# KiCad board Home Assistant Voice PE.kicad_pcb (continued)
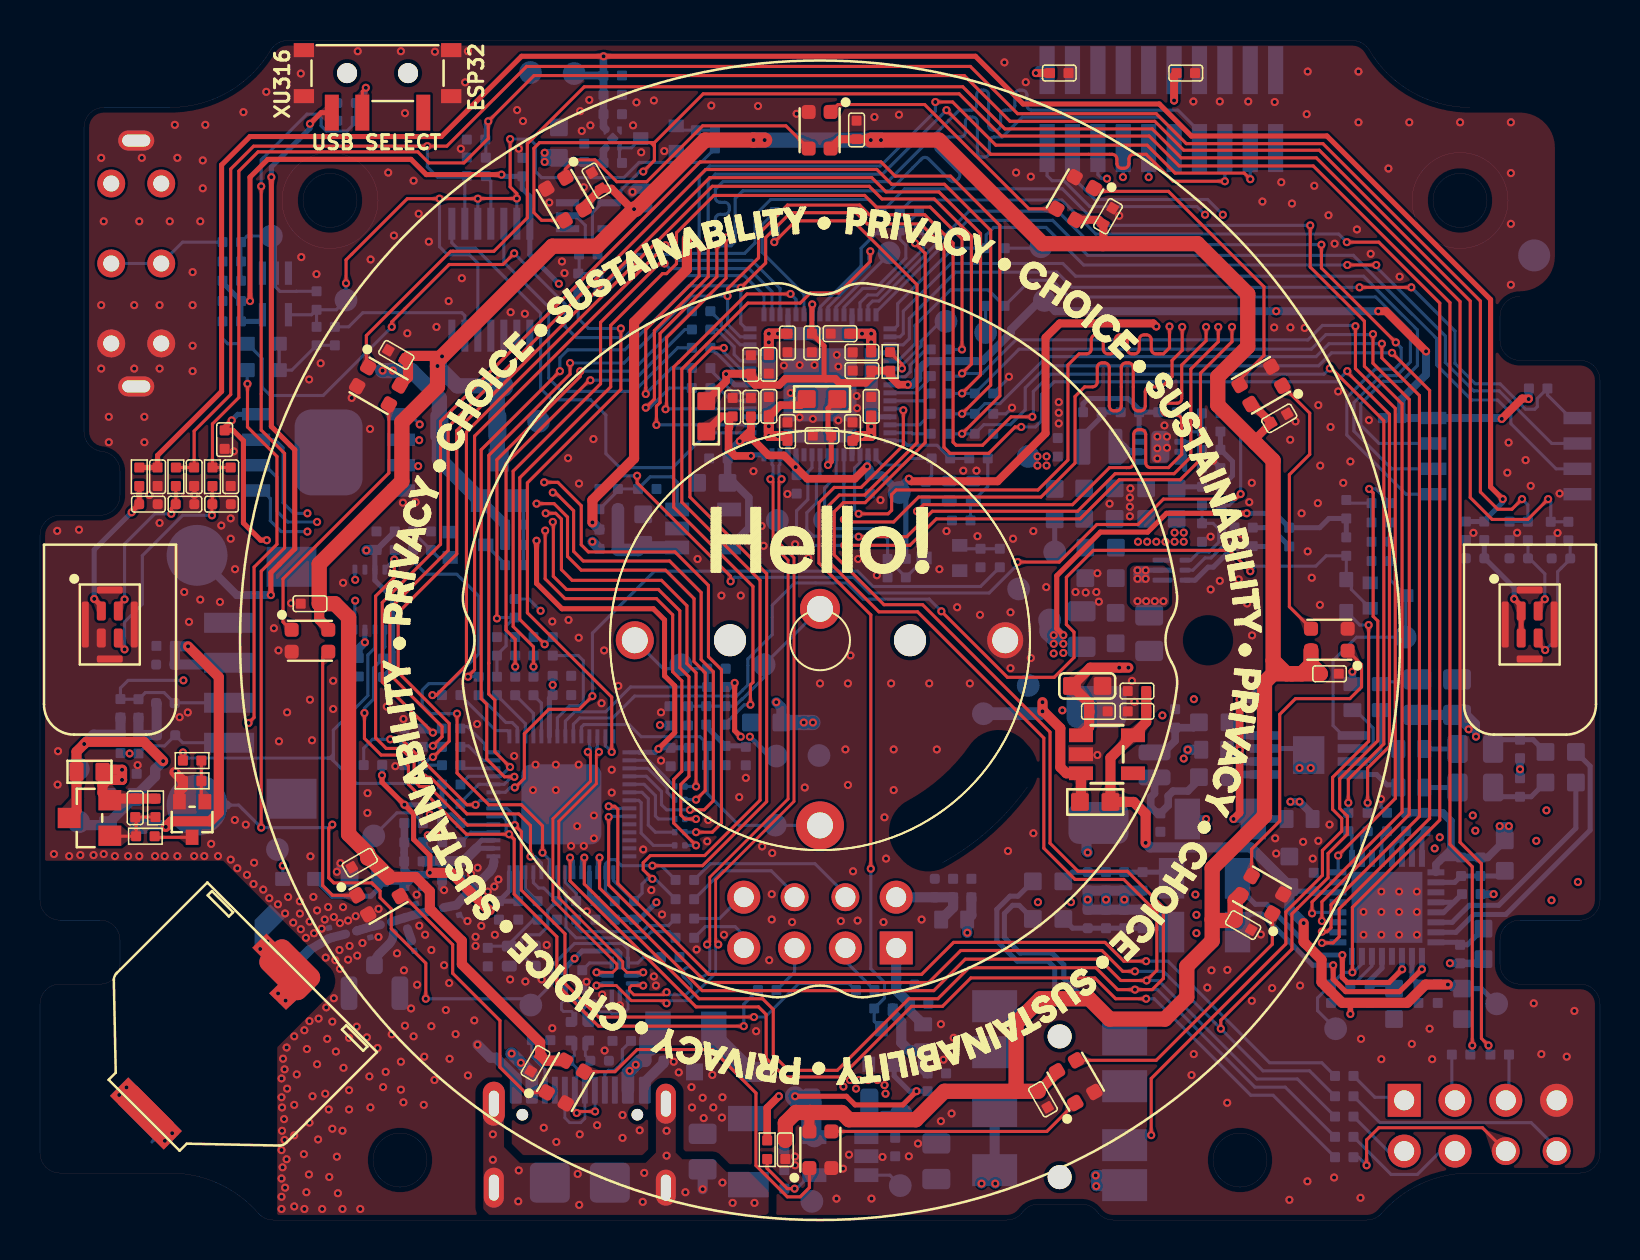
[diagram p0: board, top side]
## Routing (per net, layer and track width the routed paths; a pad name or vN(x,y) marks a point on that pad's centre or on a via; arc(x,y) is an arc through that point) (continued)
GND_SHELL: length 1
  Bottom w0.508: R147.2 v1(33.13,1.54)
  vias: v1(22.64,4.29) v1(22.64,3.02) v1(23.94,2.48) v1(23.91,0.93) v1(26.88,2.3) v1(26.96,0.76) v1(30.14,0.91) v1(30.21,2.36) v1(31.33,4.46) v1(31.33,3.22) v1(32.27,1.39) v1(34.12,1.87) v1(34.63,0.86) v1(35.72,0.86)
GNDA: length 50.7
  Bottom w0.156: v1(51.12,25.49) 51.46,25.49 52.23,26.26
  Bottom w0.254: U9.7 63.11,23.58 U9.EPAD
  Bottom w0.381: C120.2 v1(74,22.55) C121.2 ; C14.2 73.44,19.2 v1(73.44,19.7) 73.24,19.7 ; C14.2 72.99,19.25 v1(72.99,19.7) 73.24,19.7 ; C14.2 72.38,18.13 C87.2 C13.2 ; C14.2 73.24,19.7 ; 69.96,17.95 69.8,17.78 U8.17 ; 69.96,17.95 70.15,18.13 C13.2 ; 69.96,17.95 70.55,18.54 70.55,18.64 ; C119.2 v1(72.68,16.3) ; v1(70.5,12.85) 70.5,12.84 C33.2 71.96,12.84 C34.2 ; 58.3,19.81 v1(58.3,19.6) 57.82,19.6 C24.2 ; 58.3,19.81 57.62,19.81 C24.2 ; 58.3,19.81 v1(58.3,20.06) C24.2 ; C22.1 v1(65.62,27.43) ; C13.2 70.55,18.64 ; 70.55,18.64 70.55,19.96 70.14,20.37 C89.2 C88.2
  Bottom w0.4: R82.2 71.36,25.27 71.8,24.83 v1(71.8,24.18)
  Bottom w0.508: 47.73,5.94 47.73,2.99 ; 47.73,2.99 47.76,2.96 v1(47.76,1.82) ; 47.73,2.99 47.08,2.34 v1(47.08,1.82) ; 52.81,1.95 53.94,1.95 54.23,2.24 ; 52.81,1.95 52.81,2.2 v1(52.79,2.23) 52.8,2.24 54.23,2.24 ; 52.81,1.95 v1(52.81,1.7) 53.68,1.7 54.23,2.24 ; R18.1 D2.1 D3.1 R19.1 ; 71.49,24.6 70.85,25.24 R82.2 ; C21.1 R82.2 ; R82.2 71.03,25.44 ; C18.2 C17.2 ; 52.33,20.46 52.33,18.44 v1(52.39,18.38) ; C125.2 C111.2 ; C23.2 v1(57.39,23.52)
  vias: v1(49.9,15.9) v1(51.55,15.9) v1(52.39,16.03) v1(53.3,16.03) v1(54.21,16.03) v1(56.12,25.24) v1(57.19,23.08) v1(57.69,26.05) v1(57.77,16.28) v1(57.82,15.26) v1(57.82,14.35) v1(62.98,22.61) v1(63.54,22.61) v1(69.73,18.59) v1(69.99,19.14) v1(71.43,24.55) v1(71.64,20.24) v1(71.77,19.48) v1(74.81,18.97) v1(75.32,20.49) v1(75.58,16) v1(76.9,16.91)
VBUS: length 18
  Top w0.254: v1(37.76,6.19) 40.32,6.19 40.75,5.76 43.14,5.76 v1(43.83,6.44)
  Top w0.381: R64.2 36.36,5.61 v1(36.94,6.19)
  Bottom w0.254: Q10.1 42.71,7.21 43.47,6.44 v1(43.83,6.44) R58.2
  Bottom w1.016: 38.57,6.04 38.57,4.29 U13.5 ; v1(37.76,6.19) 38.11,5.84 R65.1 ; D22.2 35.34,7.41 33.69,9.06 FB12.1
VDD: length 52
  Top w0.25: 36.84,39.16 v1(36.9,39.22)
  Top w0.381: 36.44,40.34 36.6,40.34 37.02,40.76 38.03,40.76 FB6.2
  Top w0.5: v1(41.56,44.34) v1(41.56,43.9) ; v1(41.56,44.34) C51.1 ; v1(41.56,44.34) C48.1 ; v1(36.44,44.34) v1(36.9,44.34) ; v1(36.44,44.34) C49.1 ; v1(36.44,44.34) C43.1 ; v1(36.44,39.22) 36.44,39.44 ; v1(36.44,39.22) 37.37,39.22 ; v1(36.44,39.22) v1(36.9,39.22) ; 36.44,39.44 v1(36.44,39.7) ; 36.44,39.44 C50.1 ; C45.1 40.87,39.22 v1(41.1,39.22) v1(41.56,39.22) C46.1
  Bottom w0.25: v1(41.56,43.9) 41.56,43.38 U2.4 ; U2.27 37.4,38.85 37.77,39.22 U2.62 40.23,39.22 40.6,38.85 U2.19 ; U2.12 41.94,40.18 41.56,40.56 U2.61 ; v1(36.44,43.9) 36.44,43.38 U2.42 ; 37.4,44.34 U2.64 ; v1(36.44,39.7) 36.44,40.18 U2.34 ; 40.6,39.22 41.2,39.22 ; 37.4,39.22 37.1,39.22 ; 41.56,40.18 41.56,39.6 ; 40.6,44.34 v1(41.1,44.34)
  Bottom w0.254: U2.57 40.6,44.7 40.24,44.34 U2.64 37.76,44.34 37.4,44.7 U2.49
  Bottom w0.5: U2.64 v1(41.1,44.34) v1(41.56,44.34) U2.61 v1(41.56,39.22) U2.62 v1(36.44,39.22) v1(36.44,39.7) U2.63 v1(36.44,43.9) v1(36.44,44.34) U2.64
  vias: v1(41.56,39.69) v1(49.87,38.19) v1(49.87,37.74) v1(50.33,38.19) v1(50.33,37.74)
VDD_MIC: length 106.4
  Top w0.254: v1(73.14,36.06) 72.53,36.67 72.53,46.04 64.35,54.22 57.57,54.22 55.97,55.82 49.16,55.82 46.77,58.21 v1(28.18,58.21) 24.08,58.21 20.06,54.2 10.5,54.2 9.08,52.77 9.08,41.45 5.88,38.25 C5.1 R30.2
  Bottom w0.254: C4.1 R110.2 72.21,34.98 73.14,35.91 v1(73.14,36.06)
  Bottom w0.381: v1(28.18,58.21) 28.17,58.2 28.17,56.74 ; 28.17,56.74 28.17,57.13 ; 28.17,56.74 C110.1 28.17,54.68 U18.1
  Bottom w0.4: TP26.1 26.81,57.24 R11.2
VDD_SPI: length 41.7
  Top w0.254: v1(30.92,23.56) 31.74,24.38 31.74,26.71 31.23,27.22 31.23,30.02 30.67,30.57 26.1,30.57 24.83,31.84 v1(24.83,33.98) ; v1(9.59,40) 9.23,39.64 C107.1 9.65,39.5 10.17,38.98 10.17,34.87 11.03,34 v1(11.34,34)
  In2.PWR w0.254: v1(11.34,34) 11.36,33.98 v1(24.83,33.98)
  Bottom w0.2: U1.29 29.96,23.39
  Bottom w0.254: v1(9.59,40) 9.89,40.3 U16.8 ; 30.75,23.39 v1(30.92,23.56) ; 30.75,23.39 29.96,23.39 ; 30.75,23.39 30.98,23.62 C105.1 C106.1
VDDIO: length 117.5
  Top w0.25: 36.41,41.77 36.1,41.77 C55.1 ; 39.3,42.08 39.2,42.18 39.2,43.73 C57.1 38.59,45.78 v1(38.61,45.8) ; 41.56,42.48 C56.1 ; v1(43.39,41.78) 43.39,41.78
  Top w0.254: v1(23.07,52.29) 19.31,52.29 18.55,53.05 11.39,53.05 10.5,52.16 v1(10.5,45.97)
  Top w0.381: v1(34.31,42.31) 34.31,41.96 FB9.2 ; 41.56,42.48 R61.2 42.51,42.21 42.93,41.78 v1(43.39,41.78) ; C56.1 41.56,42.15 41.29,41.88 39.97,41.88 39.76,42.08 37.27,42.08 36.96,41.77 35.75,41.77 35.55,41.98 C55.1
  Top w0.4: v1(34.31,42.31) 34.32,42.33 C55.1 ; v1(56.7,56) 56.7,57.25 C143.1 ; v1(73.09,40.07) 74.1,41.09 74.43,41.09 v1(74.43,41.06) ; v1(66.91,45.46) 67.3,45.46 v1(69.3,43.45)
  In2.PWR w0.25: v1(34.31,42.31) 33.7,42.92 29.86,42.92 v1(25.94,46.83)
  In2.PWR w0.4: v1(56.7,56) 56.7,53.51 61.81,48.41 v1(61.81,45.46)
  Bottom w0.25: v1(43.39,41.78) 43.39,41.78 U2.8 ; U2.52 38.6,45.79 v1(38.61,45.8) ; 48.55,44.5 48.55,44.54 ; v1(34.31,42.31) 34.31,42.2 34.73,41.78 U2.38
  Bottom w0.254: R10.2 9.12,46.89 C60.1 ; C60.1 v1(10.5,45.97) ; C60.1 R52.2 11.11,44.95 11.12,44.96 U14.5 ; v1(23.07,52.29) 23.16,52.21 C6.1 24.12,52.2 24.12,51.58 24.49,51.21 U6.14 24.49,48.28 v1(25.94,46.83)
  Bottom w0.4: R1.2 74.43,41.58 v1(74.43,41.06) ; v1(66.91,45.46) v1(61.81,45.46) 50.76,45.46 50.22,46 TP9.1 50.01,46 48.55,44.54 48.55,44.39 47.12,42.96 44.4,42.96 44.23,42.79 44.19,42.79 43.91,42.51 43.91,42.08 43.61,41.78 v1(43.39,41.78) ; v1(73.09,40.07) 73.05,40.11 U3.8 68.07,40.11 C1.1 68.07,41.05 69.3,42.28 v1(69.3,43.45) ; J5.11 v1(56.7,56)
/DAC/AMP_CTL: length 14.7
  Bottom w0.156: 67.55,33.88 C29.1 ; C29.1 R25.1 ; C29.1 R35.2 67.5,32.02 Q2.3 68.29,29.18 TP23.1 65.82,29.15 64.65,27.98 64.65,24.73 65.15,24.23 U9.1
/DAC/MICDET: length 33.1
  Top w0.156: v1(66.43,29.76) 66.43,23.95 64.63,22.14 64.63,20.54 65.09,20.08 65.09,19.45 64.12,18.49 64.12,17.24 62.29,15.41 62.29,13.81 55.56,7.08 v1(55.56,4.24)
  Bottom w0.156: D9.2 65.99,29.76 v1(66.43,29.76) ; v1(55.56,4.24) 54.23,4.24
/DAC/PA_5V: length 13.3
  Top w0.381: v1(59.68,20.06) 59.98,20.36 v1(59.98,23.52) v1(59.98,26.05)
  Bottom w0.381: U9.6 60.34,22.93 ; 60.34,22.93 59.95,22.93 C23.1 v1(59.98,23.52) 59.98,23.29 60.34,22.93 ; v1(59.68,20.06) C24.1 R39.2 ; TP33.1 v1(59.98,26.05)
/DAC/SKP-: length 3.6
  Bottom w0.254: 57.95,25.09 FB4.2 58.09,24.9
  Bottom w0.381: J2.2 56.17,23.39 56.75,23.97 C28.1 57.68,24.63 FB4.2
/DAC/SPK+: length 5.2
  Bottom w0.381: J2.1 55.73,21.34 55.54,21.15 55.54,20.67 55.86,20.34 C27.1 56.41,20.74 56.41,21.21 56.65,21.46 57.39,21.46 57.95,22.02 FB5.2
/ESP32/ANT: length 2.1
  Bottom w0.45: L6.2 C96.1 L7.1 17.58,14.92
/ESP32/RF_IN: length 3.8
  Bottom w0.254: 22.69,18.17 22.69,17.98
  Bottom w0.45: 20.19,15.63 C97.1 21.1,16.04 21.61,16.55 22.44,17.37 22.5,17.43 22.59,17.57 22.66,17.73 22.69,17.89 22.69,17.98
/ESP32/SPI_CLK: length 38.7
  Top w0.156: v1(25.64,34.92) 25.67,34.89 25.67,32.2 26.33,31.54 30.92,31.54 31.99,30.47 31.99,27.63 32.45,27.17 32.45,22.19 32.04,21.79 32.04,20.26 R74.2 v1(32.8,20.06)
  In2.PWR w0.156: v1(13.85,34.92) v1(25.64,34.92)
  Bottom w0.156: v1(13.85,34.92) 12.38,34.92 11.85,35.45 11.85,37.15 11.24,37.76 U15.6 ; R74.2 v1(32.8,20.06)
/ESP32/SPI_CS0: length 38
  Top w0.156: v1(32.5,20.52) 33.21,20.52 33.67,20.97 33.67,27.43 33.06,28.03 33.06,31.39 31.48,32.96 27.16,32.96 26.68,33.45 26.68,35.48 25.77,36.39 v1(25.64,36.39)
  In2.PWR w0.156: v1(25.64,36.39) 19.95,36.39 19.49,36.85 19.49,38.09 19.19,38.4 18.71,38.4 18.43,38.68 18.43,39.24 v1(18.98,39.8)
  Bottom w0.156: v1(18.98,39.8) 18.48,40.3 U16.1 ; U1.32 30.31,22.19 31.08,21.43 31.08,20.77 31.33,20.52 v1(32.5,20.52)
/ESP32/SPI_D: length 38.4
  Top w0.156: v1(25.26,34.49) 25.26,32.07 26.25,31.08 30.82,31.08 31.63,30.27 31.63,27.43 32.09,26.97 32.09,22.45 31.68,22.04 31.68,19.86 v1(32.8,18.74)
  In2.PWR w0.156: v1(13.37,34.44) 25.21,34.44 v1(25.26,34.49)
  Bottom w0.156: U15.5 11.11,36.49 11.52,36.09 11.52,34.98 12.06,34.44 v1(13.37,34.44) ; R81.2 v1(32.8,18.74)
/ESP32/SPI_HD: length 37.9
  Top w0.156: v1(25.28,35.35) 25.79,35.35 26.07,35.06 26.07,32.53 26.6,32 31.08,32 32.35,30.73 32.35,27.83 32.8,27.37 v1(32.8,21.68)
  In2.PWR w0.156: v1(13.37,35.35) v1(25.28,35.35)
  Bottom w0.156: U15.7 11.75,39.03 12.15,38.63 12.15,35.88 12.69,35.35 v1(13.37,35.35) ; R68.2 v1(32.8,21.68)
/ESP32/SPI_Q: length 34
  Top w0.156: v1(32.8,19.4) 33.62,19.4 34.07,19.86 34.07,27.53 33.42,28.18 33.42,31.74 31.75,33.42 27.42,33.42 27.06,33.78 27.06,35.73 25.89,36.9 v1(25.21,36.9)
  In2.PWR w0.156: v1(25.21,36.9) 20.36,36.9 19.87,37.38 19.87,38.27 19.14,39.01 v1(18.96,39.01)
  Bottom w0.156: U16.2 18.94,39.03 v1(18.96,39.01) ; R76.2 v1(32.8,19.4)
/ESP32/SPI_WP: length 30
  Top w0.156: v1(24.83,35.83) 25.7,35.83 26.38,35.16 26.38,33.19 27.06,32.51 31.28,32.51 32.7,31.08 32.7,27.93 33.26,27.37 33.26,21.48 v1(32.8,21.02)
  In2.PWR w0.156: v1(24.83,35.83) 19.67,35.83 18.91,36.59 v1(18.91,37.71)
  Bottom w0.156: v1(18.91,37.71) 18.86,37.76 U16.3 ; R69.2 v1(32.8,21.02)
/LED & Connector/RGB12_OUT: length 106.4
  Top w0.156: 20.63,48.46 20.66,48.46 ; 20.66,48.46 22.69,48.46 24.37,50.13 24.37,53.84 27.21,56.69 46.14,56.69 48.25,54.58 55.61,54.58 57.06,53.13 63.82,53.13 71,45.94 71,18.89 72.07,17.82 72.07,9.09 v1(72.43,8.73) ; 20.66,48.46 20.53,48.46 16.32,44.24 16.32,42.75 LED12.1
  Bottom w0.156: v1(72.43,8.73) 72.43,8.37 R132.1
/LED & Connector/WS2812_DIN: length 102.1
  Top w0.156: 30.72,53.89 30.72,53.69 ; 30.72,53.89 30.54,53.89 ; 30.72,53.89 33.16,56.33 45.96,56.33 48.07,54.22 55.46,54.22 56.96,52.72 63.66,52.72 70.5,45.89 70.5,18.79 71.61,17.67 v1(71.61,8.73) ; 30.72,53.69 30.72,53 v1(30.16,52.44) ; 30.72,53.69 30.72,53.71 30.54,53.89 ; 30.54,53.89 24.98,53.89 24.69,53.61 24.69,50.39 25.08,50.01 LED1.3
  Bottom w0.156: v1(30.16,52.44) 29.98,52.44 29.04,51.5 29.04,51.1 28.83,50.88 U7.4 28.12,50.88 27.62,50.39 27.62,48.56 R107.2 ; R131.1 71.61,8.37 v1(71.61,8.73)
/Power/USB_D_N: length 5.8
  Top w0.142: v1(27.75,5.43) 26.91,5.43 v1(26.83,5.35)
  Bottom w0.142: USB1.B7 27.75,6.48 v1(27.75,5.43) ; v1(26.83,5.35) 26.74,5.44 USB1.A7 26.74,7.02 26.85,7.12 26.85,7.59 D6.2 26.72,8.22 L5.4
/Power/USB_D_P: length 6.6
  Bottom w0.142: L5.1 27.27,8.22 D7.2 27.14,7.59 27.14,7.12 27.24,7.02 USB1.A6 27.24,5.08 27.04,4.87 26.48,4.87 26.24,5.11 USB1.B6
/Power/USB_IN_D_N: length 4.4
  Bottom w0.142: L5.3 26.72,10.29 26.58,10.43 26.17,10.43 26.07,10.53 26.07,10.85 26.18,10.96 27.74,10.96 28.02,10.68 28.46,10.68 28.59,10.81 U17.5
/Power/USB_IN_D_P: length 3.7
  Bottom w0.142: U17.3 29.4,11.2 29.4,10.56 29.18,10.34 28.58,10.34 28.51,10.41 27.9,10.41 27.62,10.69 27.3,10.69 27.14,10.52 27.14,10.39 27.27,10.27 L5.2
/Power/USB_SEL: length 81.6
  Top w0.156: v1(16.29,56.64) 16.12,56.46 SW3.2 ; v1(11.06,19.63) 11.06,32.45 12.23,33.62 12.23,38.35 11.06,39.52 v1(11.06,51.71) ; v1(14.62,19.78) 14.44,19.6 14.44,17.11 14.69,16.86 16.59,16.86 17,16.45 17,16.12 17.56,15.56 17.56,14.57 19.29,12.85 v1(19.29,11.07)
  Bottom w0.156: TP36.1 9.54,20.75 ; TP36.1 8.82,20.75 8.94,20.63 9.41,20.63 9.54,20.75 ; TP36.1 8,20.9 9.39,20.9 9.54,20.75 ; 9.54,20.75 9.93,20.75 v1(11.06,19.63) 14.46,19.63 v1(14.62,19.78) ; R50.2 30.19,13.15 29.89,12.86 U17.10 29.39,13.56 29.12,13.83 26.73,13.83 25.61,12.72 25.61,11.83 TP38.1 24.23,11.07 v1(19.29,11.07) 19.35,11.01 ; v1(16.29,56.64) 16.29,56.38 15.79,55.88 D14.1 15.79,55.87 C155.1 15.79,54.91 15.35,54.48 14.31,54.48 14.06,54.73 14.06,55.14 13.88,55.31 13.35,55.31 11.06,53.03 v1(11.06,51.71)
/XMOS/BOOT_SEL: length 1.8
  Bottom w0.156: TP6.1 49.97,48.61 R27.2
/XMOS/MIC_CLK: length 17
  Bottom w0.156: R2.2 31.89,43.63 29.7,41.45 26.1,41.45 25.44,42.11 25.44,45.66 23.19,47.91 U6.12 23.2,49.84
/XMOS/MIC_CLK_M: length 104
  Top w0.156: v1(75.41,36.06) 74.39,35.05 72.6,35.05 71.51,36.14 71.51,45.97 63.97,53.51 57.19,53.51 55.74,54.96 48.5,54.96 46.21,57.24 24.7,57.24 v1(22.41,54.96) 22.41,54.1 21.19,52.88 19.44,52.88 18.89,53.43 10.9,53.43 9.94,52.47 9.94,41.14 8.62,39.82 R5.1 C135.1
  Bottom w0.156: 22.28,53.15 R8.1 22.29,54.02 C137.1 22.27,54.81 v1(22.41,54.96) ; v1(75.41,36.06) 75.54,35.93 C133.1 R109.1
/XMOS/MIC_DATA: length 24.6
  Bottom w0.156: U2.32 33.37,39.38 31.63,37.64 28.99,37.64 28.29,38.33 28.29,40.26 27.53,41.03 25.6,41.03 25.03,41.6 25.03,45.36 21.78,48.61 20.86,48.61 20.59,48.88 U6.8 ; U2.32 35.49,39.39 ; U2.32 35.49,39.38
/XMOS/MIC_DATA_M: length 106.1
  Top w0.156: R112.1 C136.1 7.71,39.46 9.54,41.29 9.54,52.57 10.68,53.71 v1(19.37,53.71) 20.34,53.71 24.33,57.7 46.52,57.7 48.88,55.34 55.81,55.34 57.31,53.84 64.15,53.84 72.02,45.97 72.02,36.42 72.88,35.55 73.59,35.55 v1(74.1,36.06)
  Bottom w0.156: v1(19.37,53.71) 19.37,52.67 19.88,52.16 21.28,52.16 R7.2 21.24,52.13 U6.9 ; C134.1 R6.1 74.39,35.77 v1(74.1,36.06)
/XMOS/Mute_EN: length 6
  Bottom w0.156: R66.2 7.13,48.91 SW1.COM2 SW1.COM1
/XMOS/QSPI_CLK: length 41.3
  Bottom w0.156: U2.5 42.91,42.98 43.75,43.82 43.75,44.75 45.53,46.53 47.41,46.53 48.21,45.73 R62.2 49.51,47.01 50.61,47.01 51.45,46.17 66.79,46.17 68.51,44.44 68.51,42.92 67.83,42.23 67.04,42.23 65.7,40.89 65.7,39.46 67.59,37.57 U3.6
/XMOS/QSPI_CS_N: length 41.7
  Top w0.156: v1(68.57,46.65) v1(65.97,46.65)
  Bottom w0.156: v1(65.97,46.65) 51.6,46.65 50.84,47.42 45.78,47.42 43.47,45.1 43.47,44.08 43.16,43.78 U2.3 ; U3.1 76.53,40.11 75.37,41.27 R1.1 75.37,41.59 74.86,41.09 74.86,40.68 74.74,40.56 74.28,40.56 73.01,41.83 71.77,41.83 70.75,42.84 70.75,44.47 v1(68.57,46.65)
/XMOS/QSPI_D0: length 44.2
  Top w0.156: v1(64.07,48.79) 64.07,47.62 v1(67.79,43.9)
  Bottom w0.156: v1(64.07,48.79) 52.56,48.79 50.89,50.46 46.45,50.46 41.95,45.97 41.63,45.97 41.4,45.74 U2.59 ; v1(67.79,43.9) 68.06,43.63 68.06,42.89 67.73,42.56 66.76,42.56 65.34,41.14 65.34,39.27 68.3,36.3 U3.5
/XMOS/QSPI_D1: length 42.8
  Top w0.156: v1(66.81,47.77) v1(65.37,47.77)
  Bottom w0.156: U3.2 75.59,38.84 72.96,41.47 71.69,41.47 70.27,42.89 70.27,44.21 66.81,47.67 v1(66.81,47.77) ; v1(65.37,47.77) 52.18,47.77 50.3,49.65 47.69,49.65 47.31,49.28 R27.1 45.66,48.61 42.88,45.84 42.88,44.74 42.71,44.58 U2.1
/XMOS/QSPI_D2: length 43.5
  Bottom w0.156: 41.8,45.44 U2.60 41.8,45.41 46.39,50.01 50.63,50.01 52.39,48.25 65.67,48.25 69.84,44.09 69.84,42.77 71.59,41.01 72.88,41.01 73.54,40.35 73.54,39.84 75.81,37.57 U3.3
/XMOS/QSPI_D3: length 40.4
  Bottom w0.156: U2.2 43,44.18 43.17,44.34 43.17,45.46 45.55,47.85 51.14,47.85 51.78,47.21 66.18,47.21 68.87,44.52 68.87,42.74 68.08,41.95 67.16,41.95 66.04,40.83 66.04,39.76 66.95,38.84 U3.7
/XMOS/RST_N: length 49.6
  Top w0.156: v1(43.85,35.45) 44.18,35.78 51.62,35.78 53.48,37.64 54.45,37.64 arc(54.61,37.71) 54.69,37.88 54.69,39.3 arc(54.76,39.47) 54.93,39.54 55.05,39.54 arc(55.21,39.47) 55.29,39.3 55.29,37.88 arc(55.36,37.71) 55.53,37.64 56.42,37.64 57.08,38.3 57.08,40.02 arc(57.01,40.18) 56.84,40.26 56.32,40.26 arc(56.16,40.33) 56.08,40.5 56.08,40.62 arc(56.16,40.78) 56.32,40.86 56.84,40.86 arc(57.01,40.93) 57.08,41.1 57.08,42.77 58.3,43.99 v1(58.3,44.67)
  In2.PWR w0.156: v1(58.3,44.67) 58.3,49.29 v1(55.43,52.16)
  Bottom w0.156: J5.10 v1(55.43,52.16) ; v1(43.85,35.45) 44.21,35.1 44.21,33.06 R31.1 43.29,32.15 C92.1 42.38,34.05 41.84,34.59 39.66,34.59 TP46.1 39.23,36.62 39.81,37.2 39.81,38.27 U2.21
/XMOS/SPI_CLK: length 1.3
  Bottom w0.156: TP7.1 47.28,45.7 R62.1
/XMOS/SPI_CS_N: length 5.2
  Top w0.156: 43.1,42.73 v1(43.1,42.59) 43.1,42.81 42.51,43.4 R61.1
  Bottom w0.156: U2.6 43.08,42.58 v1(43.1,42.59) 43.1,42.76 44.05,43.71 44.05,43.96 45.05,44.95 TP4.1
/XMOS/TCK: length 49.2
  Top w0.156: v1(59.6,44.67) 59.6,43.94 58.02,42.36 58.02,38.04 57.01,37.03 53.96,37.03 52,35.07 44.82,35.07 43.5,33.75 v1(40.22,33.75)
  In2.PWR w0.156: v1(59.14,50.29) 59.6,49.83 v1(59.6,44.67)
  Bottom w0.156: J5.4 51.62,52.16 52.74,51.05 58.38,51.05 v1(59.14,50.29) ; v1(40.22,33.75) 38.62,33.75 37.83,34.54 37.83,35.47 38.39,36.04 38.39,37.42 38.6,37.63 U2.24
/XMOS/TDI: length 48.5
  Top w0.156: v1(56.48,44.7) 56.48,43.63 56.17,43.33 55.8,43.33 arc(55.63,43.4) 55.56,43.57 55.56,44.04 arc(55.49,44.21) 55.32,44.28 55.2,44.28 arc(55.03,44.21) 54.96,44.04 54.96,43.57 arc(54.89,43.4) 54.72,43.33 54.6,43.33 arc(54.43,43.4) 54.36,43.57 54.36,44.04 arc(54.29,44.21) 54.12,44.28 54,44.28 arc(53.83,44.21) 53.76,44.04 53.76,43.57 arc(53.69,43.4) 53.52,43.33 53.4,43.33 arc(53.23,43.4) 53.16,43.57 53.16,44.04 arc(53.09,44.21) 52.92,44.28 52.8,44.28 arc(52.63,44.21) 52.56,44.04 52.56,43.57 arc(52.49,43.4) 52.32,43.33 51.95,43.33 51.4,42.77 51.4,38.02 49.9,36.52 42.81,36.52 42.58,36.29 42.58,35.5 42.4,35.32 v1(40.93,35.32)
  In2.PWR w0.156: v1(54.15,52.17) 54.29,52.17 54.52,51.93 arc(54.59,51.76) 54.52,51.59 54.15,51.23 arc(54.08,51.06) 54.15,50.89 54.24,50.8 arc(54.41,50.73) 54.58,50.8 54.95,51.17 arc(55.12,51.24) 55.29,51.17 55.37,51.08 arc(55.44,50.91) 55.37,50.75 55,50.38 arc(54.93,50.21) 55,50.04 55.09,49.95 arc(55.26,49.88) 55.43,49.95 55.8,50.32 arc(55.97,50.39) 56.13,50.32 56.48,49.98 56.48,48.76 arc(56.55,48.59) 56.72,48.52 57.19,48.52 arc(57.35,48.45) 57.43,48.28 57.43,48.16 arc(57.35,47.99) 57.19,47.92 56.72,47.92 arc(56.55,47.85) 56.48,47.68 56.48,47.56 arc(56.55,47.39) 56.72,47.32 57.19,47.32 arc(57.35,47.25) 57.43,47.08 57.43,46.96 arc(57.35,46.79) 57.19,46.72 56.72,46.72 arc(56.55,46.65) 56.48,46.48 56.48,46.36 arc(56.55,46.19) 56.72,46.12 57.19,46.12 arc(57.35,46.05) 57.43,45.88 57.43,45.76 arc(57.35,45.59) 57.19,45.52 56.72,45.52 arc(56.55,45.45) 56.48,45.28 v1(56.48,44.7)
  Bottom w0.156: v1(40.93,35.32) 40.73,35.53 40.73,37.62 40.99,37.88 40.99,38.27 U2.18 ; J5.8 54.16,52.18 v1(54.15,52.17)
